# Altium PCB UCL-CPUM-H7-2.PcbDoc (part 1 of 4) (continued)
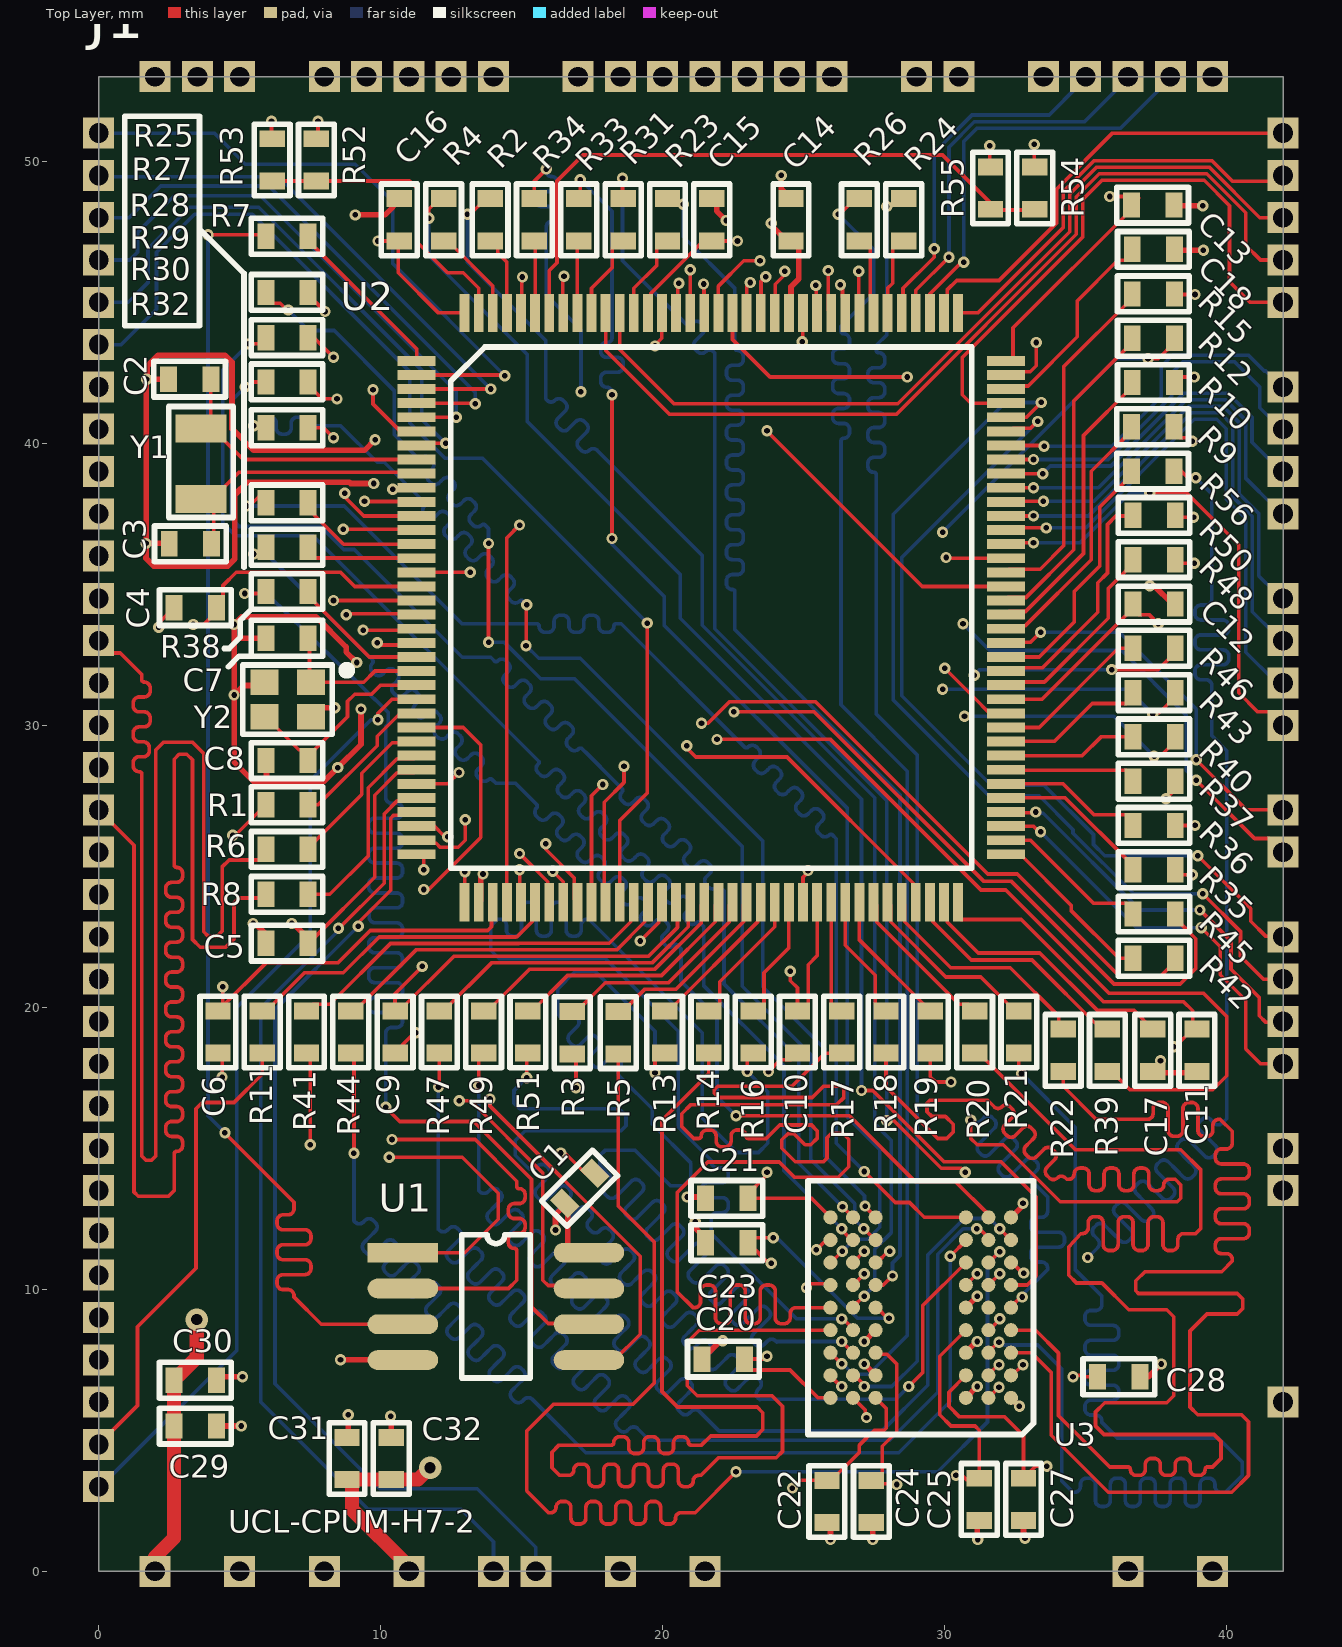
[diagram p0: Top Layer view]
## Classes and differential pairs
net class SDRAM_D[15..0]: SDRAM_D0 SDRAM_D1 SDRAM_D2 SDRAM_D3 SDRAM_D4 SDRAM_D5 SDRAM_D6 SDRAM_D7 SDRAM_D8 SDRAM_D9 SDRAM_D10 SDRAM_D11 SDRAM_D12 SDRAM_D13 SDRAM_D14 SDRAM_D15
net class SDRAM_A[12..0]: SDRAM_A0 SDRAM_A1 SDRAM_A2 SDRAM_A3 SDRAM_A4 SDRAM_A5 SDRAM_A6 SDRAM_A7 SDRAM_A8 SDRAM_A9 SDRAM_A10 SDRAM_A11 SDRAM_A12
component class U_SDRAM: C20 C21 C22 C24 C25 C27 C28 U3
component class U_MCU: C2 C3 C4 C5 C6 C7 C8 C9 C10 C11 C12 C13 C14 C15 C16 C17 C18 R1 R2 R3 R4 R5 R6 R7 R8 R9 R10 R11 R12 R13 R14 R15 R16 R17 R18 R19 R20 R21 R22 R23 R24 R25 R26 R27 R28 R29 R30 R31 R32 R33 R34 R35 R36 R37 R38 R39 R40 R41 R42 R43 R44 R45 R46 R47 R48 R49 R50 R51 R52 R53 R54 R55 R56 U2 Y1 Y2
component class U_Flash: C1 U1
component class Top: C29 C30 C31 C32 J1

## Components (designator, comment, footprint, x,y, rotation, side; value= is the part's Value field where it differs from the comment)
C1 "C-100nF-0603" Capacitor-0603 17.055,13.582 r45 top value=100nF
C2 "C-15pF-0603" Capacitor-0603 3.225,42.275 r0 top value=15pF
C3 "C-15pF-0603" Capacitor-0603 3.25,36.435 r0 top value=15pF
C4 "C-100nF-0603" Capacitor-0603 3.425,34.175 r0 top value=100nF
C5 "C-100nF-0603" Capacitor-0603 6.675,22.275 r0 top value=100nF
C6 "C-100nF-0603" Capacitor-0603 4.228,19.125 r90 top value=100nF
C7 "C-16pF-0603" Capacitor-0603 6.675,33.086 r0 top value=16pF
C8 "C-16pF-0603" Capacitor-0603 6.675,28.75 r0 top value=16pF
C9 "C-100nF-0603" Capacitor-0603 10.509,19.125 r90 top value=100nF
C10 "C-100nF-0603" Capacitor-0603 24.778,19.125 r90 top value=100nF
C11 "C-100nF-0603" Capacitor-0603 38.945,18.475 r90 top value=100nF
C12 "C-100nF-0603" Capacitor-0603 37.425,34.3 r180 top value=100nF
C13 "C-100nF-0603" Capacitor-0603 37.375,48.45 r180 top value=100nF
C14 "C-100nF-0603" Capacitor-0603 24.55,47.925 r270 top value=100nF
C15 "C-100nF-0603" Capacitor-0603 21.741,47.925 r270 top value=100nF
C16 "C-100nF-0603" Capacitor-0603 10.659,47.925 r270 top value=100nF
C17 "C-2.2uF-0603" Capacitor-0603 37.375,18.475 r90 top value=2.2uF
C18 "C-2.2uF-0603" Capacitor-0603 37.4,46.875 r180 top value=2.2uF
C20 "C-100nF-0603" Capacitor-0603 22.15,7.525 r0 top value=100nF
C21 "C-100nF-0603" Capacitor-0603 22.275,13.225 r0 top value=100nF
C22 "C-100nF-0603" Capacitor-0603 25.825,2.475 r90 top value=100nF
C23 "C-100nF-0603" Capacitor-0603 22.275,11.655 r0 top value=100nF
C24 "C-100nF-0603" Capacitor-0603 27.4,2.475 r90 top value=100nF
C25 "C-100nF-0603" Capacitor-0603 31.225,2.55 r90 top value=100nF
C27 "C-100nF-0603" Capacitor-0603 32.795,2.55 r90 top value=100nF
C28 "C-100nF-0603" Capacitor-0603 36.175,6.9 r180 top value=100nF
C29 "C-2.2uF-0603" Capacitor-0603 3.425,5.15 r180 top value=2.2uF
C30 "C-100nF-0603" Capacitor-0603 3.425,6.775 r180 top value=100nF
C31 "C-2.2uF-0603" Capacitor-0603 8.805,4 r270 top value=2.2uF
C32 "C-100nF-0603" Capacitor-0603 10.375,4 r270 top value=100nF
J1 "Ext-I/Os" EXT_IOS 0,0 r0 top locked
R1 "R-33R-0603" Resistor-0603 6.675,27.18 r180 top value=33R
R2 "R-33R-0603" Resistor-0603 13.88,47.925 r270 top value=33R
R3 "R-33R-0603" Resistor-0603 16.791,19.1 r270 top value=33R
R4 "R-33R-0603" Resistor-0603 12.23,47.925 r270 top value=33R
R5 "R-33R-0603" Resistor-0603 18.425,19.1 r270 top value=33R
R6 "R-33R-0603" Resistor-0603 6.675,25.6 r180 top value=33R
R7 "R-33R-0603" Resistor-0603 6.675,47.345 r0 top value=33R
R8 "R-33R-0603" Resistor-0603 6.675,24.005 r180 top value=33R
R9 "R-33R-0603" Resistor-0603 37.375,40.586 r0 top value=33R
R10 "R-33R-0603" Resistor-0603 37.4,42.156 r0 top value=33R
R11 "R-33R-0603" Resistor-0603 5.799,19.125 r90 top value=33R
R12 "R-33R-0603" Resistor-0603 37.4,43.726 r0 top value=33R
R13 "R-33R-0603" Resistor-0603 20.068,19.125 r90 top value=33R
R14 "R-33R-0603" Resistor-0603 21.638,19.125 r90 top value=33R
R15 "R-470R-0603" Resistor-0603 37.4,45.297 r0 top value=470R
R16 "R-33R-0603" Resistor-0603 23.208,19.125 r90 top value=33R
R17 "R-33R-0603" Resistor-0603 26.349,19.125 r90 top value=33R
R18 "R-33R-0603" Resistor-0603 27.919,19.125 r90 top value=33R
R19 "R-33R-0603" Resistor-0603 29.489,19.125 r90 top value=33R
R20 "R-33R-0603" Resistor-0603 31.059,19.125 r90 top value=33R
R21 "R-33R-0603" Resistor-0603 32.63,19.125 r90 top value=33R
R22 "R-33R-0603" Resistor-0603 34.2,18.475 r90 top value=33R
R23 "R-33R-0603" Resistor-0603 20.17,47.925 r90 top value=33R
R24 "R-33R-0603" Resistor-0603 28.545,47.925 r90 top value=33R
R25 "R-33R-0603" Resistor-0603 6.675,45.35 r0 top value=33R
R26 "R-33R-0603" Resistor-0603 26.975,47.925 r90 top value=33R
R27 "R-33R-0603" Resistor-0603 6.675,43.75 r0 top value=33R
R28 "R-33R-0603" Resistor-0603 6.675,42.175 r0 top value=33R
R29 "R-33R-0603" Resistor-0603 6.675,40.55 r0 top value=33R
R30 "R-33R-0603" Resistor-0603 6.675,37.886 r0 top value=33R
R31 "R-33R-0603" Resistor-0603 18.6,47.925 r270 top value=33R
R32 "R-33R-0603" Resistor-0603 6.675,36.316 r0 top value=33R
R33 "R-33R-0603" Resistor-0603 17.02,47.925 r270 top value=33R
R34 "R-33R-0603" Resistor-0603 15.45,47.925 r270 top value=33R
R35 "R-33R-0603" Resistor-0603 37.425,24.878 r0 top value=33R
R36 "R-33R-0603" Resistor-0603 37.425,26.449 r0 top value=33R
R37 "R-33R-0603" Resistor-0603 37.425,28.019 r0 top value=33R
R38 "R-33R-0603" Resistor-0603 6.675,34.745 r0 top value=33R
R39 "R-33R-0603" Resistor-0603 35.77,18.475 r90 top value=33R
R40 "R-33R-0603" Resistor-0603 37.425,29.589 r0 top value=33R
R41 "R-33R-0603" Resistor-0603 7.369,19.125 r90 top value=33R
R42 "R-33R-0603" Resistor-0603 37.425,21.738 r180 top value=33R
R43 "R-33R-0603" Resistor-0603 37.425,31.159 r0 top value=33R
R44 "R-33R-0603" Resistor-0603 8.939,19.125 r90 top value=33R
R45 "R-33R-0603" Resistor-0603 37.425,23.308 r180 top value=33R
R46 "R-33R-0603" Resistor-0603 37.425,32.73 r0 top value=33R
R47 "R-33R-0603" Resistor-0603 12.08,19.125 r90 top value=33R
R48 "R-33R-0603" Resistor-0603 37.425,35.875 r0 top value=33R
R49 "R-33R-0603" Resistor-0603 13.65,19.125 r90 top value=33R
R50 "R-33R-0603" Resistor-0603 37.425,37.445 r0 top value=33R
R51 "R-33R-0603" Resistor-0603 15.22,19.125 r90 top value=33R
R52 "R-10K-0603" Resistor-0603 7.72,50.05 r90 top value=10K
R53 "R-10K-0603" Resistor-0603 6.15,50.05 r270 top value=10K
R54 "R-10K-0603" Resistor-0603 33.195,49.05 r90 top value=10K
R55 "R-10K-0603" Resistor-0603 31.625,49.05 r270 top value=10K
R56 "R-33R-0603" Resistor-0603 37.375,39.016 r0 top value=33R
U1 "IS25WP128-JBLE" IS25WP128-JBLE 10.785,11.3 r0 top
U2 "STM32H743ZIT6" STM32H743ZIT6 11.275,42.925 r0 top
U3 "W989D6DBGX6I" W989D6DBGX6I 32.35,6.15 r180 top
Y1 "NX3215SA-32.768K-STD-MUA-9" NX3215SA-32.768K-STD-MUA-9 3.625,39.275 r90 top
Y2 "25MHz ±10ppm Cristal" 830107871909 7.525,30.3 r180 top

## Footprints (in the part's own frame and the unit in brackets; to place one, negate y for a bottom-side part, rotate by r counter-clockwise, add the part's x,y. Pads: shape width x height; smd on the part's side, far side on the other; paste and mask are expansions set on the pad)
830107871909 [mm]
  rect 1x0.9 smd: 1(0,-1.225) 2(1.65,-1.225) 3(1.65,0) 4(0,0)
  silkscreen extent -1.32,-1.84 2.41,0.61
Capacitor-0603 [mm]
  rect 0.6x0.9 smd: 1(-0.75,0) 2(0.75,0)
  silkscreen extent -1.27,-0.63 1.27,0.63, body extent -0.8,-0.4 0.8,0.4, height 0.81
EXT_IOS [mm]
  rect 1.1x1.1 hole 0.7 mask+0.102: 1(2,53) 2(3.5,53) 3(5,53) 4(8,53) 5(9.5,53) 6(11,53) 7(12.5,53) 8(14,53) 9(17,53) 10(18.5,53) 11(20,53) 12(21.5,53) 13(23,53) 14(24.5,53) 15(26,53) 16(29,53) 17(30.5,53) 18(33.5,53) 19(35,53) 20(36.5,53) 21(38,53) 22(39.5,53) 23(42,51) 24(42,49.5) 25(42,48) 26(42,46.5) 27(42,45) 28(42,42) 29(42,40.5) 30(42,39) 31(42,37.5) 32(42,34.5) 33(42,33) 34(42,31.5) 35(42,30) 36(42,27) 37(42,25.5) 38(42,22.5) 39(42,21) 40(42,19.5) 41(42,18) 42(42,15) 43(42,13.5) 44(42,6) 45(39.5,0) 46(36.5,0) 47(21.5,0) 48(18.5,0) 49(15.5,0) 50(14,0) 51(11,0) 52(8,0) 53(5,0) 54(2,0) 55(0,3) 56(0,4.5) 57(0,6) 58(0,7.5) 59(0,9) 60(0,10.5) 61(0,12) 62(0,13.5) 63(0,15) 64(0,16.5) 65(0,18) 66(0,19.5) 67(0,21) 68(0,22.5) 69(0,24) 70(0,25.5) 71(0,27) 72(0,28.5) 73(0,30) 74(0,31.5) 75(0,33) 76(0,34.5) 77(0,36) 78(0,37.5) 79(0,39) 80(0,40.5) 81(0,42) 82(0,43.5) 83(0,45) 84(0,46.5) 85(0,48) 86(0,49.5) 87(0,51)
IS25WP128-JBLE [mm]
  rect 2.5x0.7 smd: 1(0,0)
  oval 2.5x0.7 smd: 2(0,-1.27) 3(0,-2.54) 4(0,-3.81) 5(6.6,-3.81) 6(6.6,-2.54) 7(6.6,-1.27) 8(6.6,0)
  silkscreen extent 2.08,-4.44 4.51,0.64, body extent -0.64,-4.55 7.26,0.73, height 2.16
NX3215SA-32.768K-STD-MUA-9 [mm]
  rect 1x1.8 smd: 1(-1.25,0) 2(1.25,0)
  silkscreen extent -1.91,-1.14 2.03,1.14
Resistor-0603 [mm]
  rect 0.6x0.9 smd: 1(-0.75,0) 2(0.75,0)
  silkscreen extent -1.27,-0.64 1.27,0.64, body extent -0.8,-0.4 0.8,0.4, height 0.47
STM32H743ZIT6 [mm]
  rect 1.35x0.35 smd: 1(0,0) 2(0,-0.5) 3(0,-1) 4(0,-1.5) 5(0,-2) 6(0,-2.5) 7(0,-3) 8(0,-3.5) 9(0,-4) 10(0,-4.5) 11(0,-5) 12(0,-5.5) 13(0,-6) 14(0,-6.5) 15(0,-7) 16(0,-7.5) 17(0,-8) 18(0,-8.5) 19(0,-9) 20(0,-9.5) 21(0,-10) 22(0,-10.5) 23(0,-11) 24(0,-11.5) 25(0,-12) 26(0,-12.5) 27(0,-13) 28(0,-13.5) 29(0,-14) 30(0,-14.5) 31(0,-15) 32(0,-15.5) 33(0,-16) 34(0,-16.5) 35(0,-17) 36(0,-17.5) 73(20.9,-17.5) 74(20.9,-17) 75(20.9,-16.5) 76(20.9,-16) 77(20.9,-15.5) 78(20.9,-15) 79(20.9,-14.5) 80(20.9,-14) 81(20.9,-13.5) 82(20.9,-13) 83(20.9,-12.5) 84(20.9,-12) 85(20.9,-11.5) 86(20.9,-11) 87(20.9,-10.5) 88(20.9,-10) 89(20.9,-9.5) 90(20.9,-9) 91(20.9,-8.5) 92(20.9,-8) 93(20.9,-7.5) 94(20.9,-7) 95(20.9,-6.5) 96(20.9,-6) 97(20.9,-5.5) 98(20.9,-5) 99(20.9,-4.5) 100(20.9,-4) 101(20.9,-3.5) 102(20.9,-3) 103(20.9,-2.5) 104(20.9,-2) 105(20.9,-1.5) 106(20.9,-1) 107(20.9,-0.5) 108(20.9,0)
  rect 0.35x1.35 smd: 37(1.7,-19.2) 38(2.2,-19.2) 39(2.7,-19.2) 40(3.2,-19.2) 41(3.7,-19.2) 42(4.2,-19.2) 43(4.7,-19.2) 44(5.2,-19.2) 45(5.7,-19.2) 46(6.2,-19.2) 47(6.7,-19.2) 48(7.2,-19.2) 49(7.7,-19.2) 50(8.2,-19.2) 51(8.7,-19.2) 52(9.2,-19.2) 53(9.7,-19.2) 54(10.2,-19.2) 55(10.7,-19.2) 56(11.2,-19.2) 57(11.7,-19.2) 58(12.2,-19.2) 59(12.7,-19.2) 60(13.2,-19.2) 61(13.7,-19.2) 62(14.2,-19.2) 63(14.7,-19.2) 64(15.2,-19.2) 65(15.7,-19.2) 66(16.2,-19.2) 67(16.7,-19.2) 68(17.2,-19.2) 69(17.7,-19.2) 70(18.2,-19.2) 71(18.7,-19.2) 72(19.2,-19.2) 109(19.2,1.7) 110(18.7,1.7) 111(18.2,1.7) 112(17.7,1.7) 113(17.2,1.7) 114(16.7,1.7) 115(16.2,1.7) 116(15.7,1.7) 117(15.2,1.7) 118(14.7,1.7) 119(14.2,1.7) 120(13.7,1.7) 121(13.2,1.7) 122(12.7,1.7) 123(12.2,1.7) 124(11.7,1.7) 125(11.2,1.7) 126(10.7,1.7) 127(10.2,1.7) 128(9.7,1.7) 129(9.2,1.7) 130(8.7,1.7) 131(8.2,1.7) 132(7.7,1.7) 133(7.2,1.7) 134(6.7,1.7) 135(6.2,1.7) 136(5.7,1.7) 137(5.2,1.7) 138(4.7,1.7) 139(4.2,1.7) 140(3.7,1.7) 141(3.2,1.7) 142(2.7,1.7) 143(2.2,1.7) 144(1.7,1.7)
  silkscreen extent 1.21,-17.99 19.69,0.49, body extent -0.5,-19.8 21.5,2.2, height 1.6
W989D6DBGX6I [mm]
  round 0.5 smd: A1(0,0) A2(0.8,0) A3(1.6,0) A7(4.8,0) A8(5.6,0) A9(6.4,0) B1(0,-0.8) B2(0.8,-0.8) B3(1.6,-0.8) B7(4.8,-0.8) B8(5.6,-0.8) B9(6.4,-0.8) C1(0,-1.6) C2(0.8,-1.6) C3(1.6,-1.6) C7(4.8,-1.6) C8(5.6,-1.6) C9(6.4,-1.6) D1(0,-2.4) D2(0.8,-2.4) D3(1.6,-2.4) D7(4.8,-2.4) D8(5.6,-2.4) D9(6.4,-2.4) E1(0,-3.2) E2(0.8,-3.2) E3(1.6,-3.2) E7(4.8,-3.2) E8(5.6,-3.2) E9(6.4,-3.2) F1(0,-4) F2(0.8,-4) F3(1.6,-4) F7(4.8,-4) F8(5.6,-4) F9(6.4,-4) G1(0,-4.8) G2(0.8,-4.8) G3(1.6,-4.8) G7(4.8,-4.8) G8(5.6,-4.8) G9(6.4,-4.8) H1(0,-5.6) H2(0.8,-5.6) H3(1.6,-5.6) H7(4.8,-5.6) H8(5.6,-5.6) H9(6.4,-5.6) J1(0,-6.4) J2(0.8,-6.4) J3(1.6,-6.4) J7(4.8,-6.4) J8(5.6,-6.4) J9(6.4,-6.4)
  silkscreen extent -0.8,-7.7 7.2,1.3, body extent -0.8,-7.72 7.2,1.28, height 1.02

## Part data
C1 C4 C5 C6 C9 C10 C11 C12 C13 C14 C15 C16 C20 C21 C22 C23 C24 C25 C27 C28 C30 C32: Supplier Part Number 1=1276-1006-1-ND, Supplier 1=Digi-Key
C2 C3: Supplier Part Number 1=399-C0603C150J5GAC7411CT-ND, Supplier 1=Digi-Key
C7 C8: Supplier Part Number 1=311-3964-1-ND, Supplier 1=Digi-Key
C17 C18 C29 C31: Supplier Part Number 1=1276-1085-1-ND, Supplier 1=Digi-Key
R1 R2 R3 R4 R5 R6 R7 R8 R9 R10 R11 R12 R13 R14 R16 R17 R18 R19 R20 R21 R22 R23 R24 R25 R26 R27 R28 R29 R30 R31 R32 R33 R34 R35 R36 R37 R38 R39 R40 R41 R42 R43 R44 R45 R46 R47 R48 R49 R50 R51 R56: Supplier Part Number 1=RMCF0603FT33R0CT-ND, Supplier 1=Digi-Key
R15: Supplier Part Number 1=311-470HRCT-ND, Supplier 1=Digi-Key
R52 R53 R54 R55: Supplier Part Number 1=311-10.0KHRCT-ND, Supplier 1=Digi-Key
U1: Supplier Part Number 1=706-1443-ND, Supplier 1=Digi-Key
U2: Supplier Part Number 1=497-17721-ND, Supplier 1=Digi-Key
U3: Supplier Part Number 1=W989D6DBGX6ITR-ND, Supplier 1=Digi-Key
Y1: Supplier Part Number 1=644-1155-1-ND, Supplier 1=Digi-Key
Y2: library part 830107871909

## Via types
v1: diameter 0.4/0.45/0.4 (per signal layer), hole 0.2, Top Layer to Bottom Layer, 253 vias
v2: diameter 0.8, hole 0.4, Top Layer to Bottom Layer, 2 vias

## Nets (pads, with @x,y where several pads share a name; then routed paths per layer and width w, separated by ;. In a path a pad name is that pad's centre, name@x,y a point inside that pad or via, vN(x,y) a via of type N, cw(c..) or ccw(c..) an arc to the next point about the centre after c; other vN are vias at no path point)
ETH_MDC: J1.57 U2.27 | length 39.1
  Top Layer w0.13: U2.27@11.2,29.925 U2.27@11.275,29.925 12.925,29.925 13.55,29.3 13.55,26.025 11.7,24.175 v1(11.525,24.175)
  L4_Sig w0.13: J1.57@0.315,6 0.315,6.315 2.75,8.75 2.75,9.825 3.96,11.035 3.96,26.085 4.5,26.625 6.175,26.625 8.625,24.175 v1(11.525,24.175)
ETH_MDIO: J1.58 U2.36 | length 29.8
  Top Layer w0.13: U2.36@11.275,25.425 11.415,25.425 11.525,25.315 v1(11.525,24.875)
  L4_Sig w0.13: J1.58@0.315,7.5 0.315,7.815 3.73,11.23 3.73,26.205 4.38,26.855 6.345,26.855 8.275,24.925 11.415,24.925 11.423,24.917 11.567,24.917 v1(11.525,24.875)
"ETH_MII_ RX_ER": J1.69 U2.69 | length 35.1
  Top Layer w0.13: v1(20.85,29.275) 20.923,29.125 21.173,28.875 24.408,28.875 28.975,24.308 U2.69@28.975,23.725
  L4_Sig w0.13: J1.69@0.315,24 0.315,24.315 1.125,25.125 1.125,27.5 2.9,29.275 v1(20.85,29.275)
ETH_MII_COL: J1.59 U2.37 | length 30.6
  Top Layer w0.13: U2.37@12.975,23.725 12.975,24.801 v1(12.986,24.812)
  L4_Sig w0.13: J1.59@0.315,9 0.315,9.315 3.5,12.5 3.5,26.5 4.1,27.1 6.55,27.1 7.83,25.82 11.978,25.82 v1(12.986,24.812)
ETH_MII_CRS: J1.60 U2.34 | length 28.8
  Top Layer w0.13: U2.34@11.275,26.425 11.375,26.425 11.485,26.315 11.595,26.425 11.9,26.425 12.275,26.05 v1(12.375,26.05)
  L4_Sig w0.13: J1.60@0,10.5 3.27,13.77 3.27,26.62 3.995,27.345 6.705,27.345 8,26.05 v1(12.375,26.05)
ETH_MII_RX_CLK: J1.63 U2.35 | length 34
  Top Layer w0.13: U2.35@11.858,25.925 U2.35@11.275,25.925 11.385,25.815 11.968,25.815 12.104,25.679 12.754,25.679 13,25.925 v1(13,26.65)
  L4_Sig w0.13: J1.63@0.315,15.315 0.315,15 0.44,15.125 0.8,15.125 1.075,15.4 1.075,16.75 1.2,16.875 1.45,16.875 1.55,16.775 1.55,15.1 1.1,14.65 1.1,14.275 1.275,14.1 1.45,14.1 2.795,15.445 2.795,26.945 3.675,27.825 6.95,27.825 7.9,26.875 12.775,26.875 v1(13,26.65)
ETH_MII_RX_DV: J1.64 U2.43 | length 32.7
  Top Layer w0.13: v1(14.925,25.45) 15.925,24.45 U2.43@15.925,23.725 ; U2.43@15.925,23.725 U2.43@15.975,23.725
  L4_Sig w0.13: J1.64@0,16.5 1.2,17.7 1.625,17.7 1.925,17.4 1.925,15.475 2.025,15.375 2.275,15.375 2.565,15.665 2.565,27.04 3.595,28.07 7.031,28.07 7.901,27.2 13.175,27.2 v1(14.925,25.45)
ETH_MII_RXD0: J1.65 U2.44 | length 32.7
  Top Layer w0.13: v1(16.1,24.825) 16.475,24.45 U2.44@16.475,23.725
  L4_Sig w0.13: J1.65@0.315,18 0.315,18.315 2.275,20.275 2.275,27.125 3.45,28.3 7.126,28.3 7.976,27.45 13.525,27.45 15.6,25.375 16.25,25.375 16.425,25.2 16.425,24.325 15.1,23 14.75,23 14.625,23.125 14.625,23.35 v1(16.1,24.825)
ETH_MII_RXD1: J1.66 U2.45 | length 32.8
  Top Layer w0.13: v1(15.85,25.8) 15.85,25.6 16.865,24.585 16.865,23.835 U2.45@16.975,23.725
  L4_Sig w0.13: J1.66@0.315,19.5 0.315,19.815 2.025,21.525 2.025,27.2 3.355,28.53 7.221,28.53 8.051,27.7 13.825,27.7 14.89,26.635 16.135,26.635 16.55,27.05 17.649,27.05 17.875,26.824 17.875,26.675 17,25.8 16.825,25.8 16.691,25.934 16.691,26.041 17.096,26.446 17.096,26.554 16.975,26.675 16.725,26.675 v1(15.85,25.8) 15.985,25.8 v1@16.03,25.845
ETH_MII_RXD2: J1.67 U2.46 | length 32.5
  Top Layer w0.13: U2.46@17.475,23.725 17.4,23.725 17.475,23.8 17.475,27.501 v1(17.876,27.901)
  L4_Sig w0.13: J1.67@0.315,21 0.315,21.315 1.725,22.725 1.725,27.225 3.299,28.8 7.276,28.8 8.146,27.93 13.022,27.93 13.204,27.93 ccw(c13.204,28.118) 13.392,28.118 cw(c13.604,28.118) 13.604,28.33 13.71,28.33 cw(c13.71,28.118) 13.922,28.118 ccw(c14.11,28.118) 14.11,27.93 14.264,27.93 ccw(c14.264,28.118) 14.452,28.118 cw(c14.664,28.118) 14.664,28.33 14.77,28.33 cw(c14.77,28.118) 14.982,28.118 14.982,27.93 14.982,27.742 ccw(c15.194,27.742) 15.194,27.53 15.3,27.53 ccw(c15.3,27.742) 15.512,27.742 15.512,27.93 15.512,28.118 cw(c15.724,28.118) 15.724,28.33 15.83,28.33 cw(c15.83,28.118) 16.042,28.118 16.042,27.93 16.042,27.742 ccw(c16.254,27.742) 16.254,27.53 16.36,27.53 ccw(c16.36,27.742) 16.572,27.742 16.572,27.93 16.572,28.118 cw(c16.784,28.118) 16.784,28.33 16.89,28.33 cw(c16.89,28.118) 17.102,28.118 17.102,27.93 17.102,27.742 ccw(c17.314,27.742) 17.314,27.53 17.42,27.53 ccw(c17.42,27.742) 17.632,27.742 cw(c17.82,27.742) 17.82,27.93 17.897,27.93 17.876,27.909 v1(17.876,27.901)
ETH_MII_RXD3: J1.68 U2.47 | length 32.7
  Top Layer w0.13: U2.47@17.975,23.725 17.975,24.125 17.925,24.175 17.925,27.275 18.625,27.975 v1(18.625,28.55)
  L4_Sig w0.13: J1.68@0.315,22.5 0.315,22.815 1.425,23.925 1.425,27.375 3.095,29.045 8.45,29.045 8.667,29.045 cw(c8.667,28.857) 8.855,28.857 ccw(c9.067,28.857) 9.067,28.645 9.173,28.645 ccw(c9.173,28.857) 9.385,28.857 cw(c9.573,28.857) 9.573,29.045 9.727,29.045 cw(c9.727,28.857) 9.915,28.857 ccw(c10.127,28.857) 10.127,28.645 10.233,28.645 ccw(c10.233,28.857) 10.445,28.857 cw(c10.633,28.857) 10.633,29.045 10.787,29.045 cw(c10.787,28.857) 10.975,28.857 ccw(c11.187,28.857) 11.187,28.645 11.293,28.645 ccw(c11.293,28.857) 11.505,28.857 cw(c11.693,28.857) 11.693,29.045 11.847,29.045 cw(c11.847,28.857) 12.035,28.857 ccw(c12.247,28.857) 12.247,28.645 12.353,28.645 ccw(c12.353,28.857) 12.565,28.857 cw(c12.753,28.857) 12.753,29.045 12.907,29.045 cw(c12.907,28.857) 13.095,28.857 ccw(c13.307,28.857) 13.307,28.645 13.413,28.645 ccw(c13.413,28.857) 13.625,28.857 cw(c13.813,28.857) 13.813,29.045 13.967,29.045 cw(c13.967,28.857) 14.155,28.857 ccw(c14.367,28.857) 14.367,28.645 14.473,28.645 ccw(c14.473,28.857) 14.685,28.857 cw(c14.873,28.857) 14.873,29.045 15.027,29.045 cw(c15.027,28.857) 15.215,28.857 ccw(c15.427,28.857) 15.427,28.645 15.533,28.645 ccw(c15.533,28.857) 15.745,28.857 cw(c15.933,28.857) 15.933,29.045 16.087,29.045 cw(c16.087,28.857) 16.275,28.857 ccw(c16.487,28.857) 16.487,28.645 16.593,28.645 ccw(c16.593,28.857) 16.805,28.857 cw(c16.993,28.857) 16.993,29.045 17.147,29.045 cw(c17.147,28.857) 17.335,28.857 ccw(c17.547,28.857) 17.547,28.645 17.653,28.645 ccw(c17.653,28.857) 17.865,28.857 cw(c18.053,28.857) 18.053,29.045 18.13,29.045 v1(18.625,28.55)
ETH_MII_TX_CLK: J1.71 R8.2 | length 50.3
  Top Layer w0.13: J1.71@0,27 1.25,25.75 1.25,13.45 1.4,13.3 2.475,13.3 2.675,13.5 2.675,14.375 2.675,14.802 cw(c2.763,14.802) 2.763,14.89 ccw(c2.763,15.102) 2.975,15.102 2.975,15.208 ccw(c2.763,15.208) 2.763,15.42 2.675,15.42 2.587,15.42 cw(c2.587,15.632) 2.375,15.632 2.375,15.738 cw(c2.587,15.738) 2.587,15.95 2.675,15.95 2.763,15.95 ccw(c2.763,16.162) 2.975,16.162 2.975,16.268 ccw(c2.763,16.268) 2.763,16.48 2.675,16.48 2.587,16.48 cw(c2.587,16.692) 2.375,16.692 2.375,16.798 cw(c2.587,16.798) 2.587,17.01 2.675,17.01 2.763,17.01 ccw(c2.763,17.222) 2.975,17.222 2.975,17.328 ccw(c2.763,17.328) 2.763,17.54 2.675,17.54 2.587,17.54 cw(c2.587,17.752) 2.375,17.752 2.375,17.858 cw(c2.587,17.858) 2.587,18.07 2.675,18.07 2.763,18.07 ccw(c2.763,18.282) 2.975,18.282 2.975,18.388 ccw(c2.763,18.388) 2.763,18.6 2.675,18.6 2.587,18.6 cw(c2.587,18.812) 2.375,18.812 2.375,18.918 cw(c2.587,18.918) 2.587,19.13 2.675,19.13 2.763,19.13 ccw(c2.763,19.342) 2.975,19.342 2.975,19.448 ccw(c2.763,19.448) 2.763,19.66 2.675,19.66 2.587,19.66 cw(c2.587,19.872) 2.375,19.872 2.375,19.978 cw(c2.587,19.978) 2.587,20.19 2.675,20.19 2.763,20.19 ccw(c2.763,20.402) 2.975,20.402 2.975,20.508 ccw(c2.763,20.508) 2.763,20.72 2.675,20.72 2.587,20.72 cw(c2.587,20.932) 2.375,20.932 2.375,21.038 cw(c2.587,21.038) 2.587,21.25 2.675,21.25 2.763,21.25 ccw(c2.763,21.462) 2.975,21.462 2.975,21.568 ccw(c2.763,21.568) 2.763,21.78 2.675,21.78 2.587,21.78 cw(c2.587,21.992) 2.375,21.992 2.375,22.098 cw(c2.587,22.098) 2.587,22.31 2.675,22.31 2.763,22.31 ccw(c2.763,22.522) 2.975,22.522 2.975,22.628 ccw(c2.763,22.628) 2.763,22.84 2.675,22.84 2.587,22.84 cw(c2.587,23.052) 2.375,23.052 2.375,23.158 cw(c2.587,23.158) 2.587,23.37 2.675,23.37 2.763,23.37 ccw(c2.763,23.582) 2.975,23.582 2.975,23.688 ccw(c2.763,23.688) 2.763,23.9 2.675,23.9 2.587,23.9 cw(c2.587,24.112) 2.375,24.112 2.375,24.218 cw(c2.587,24.218) 2.587,24.43 2.675,24.43 2.763,24.43 ccw(c2.763,24.642) 2.975,24.642 2.975,24.748 ccw(c2.763,24.748) 2.763,24.96 cw(c2.763,25.048) 2.675,25.048 2.675,25.225 2.675,28.8 2.85,28.975 3.125,28.975 3.325,28.775 3.325,22.4 3.6,22.125 4.5,22.125 4.8,22.425 4.8,23.7 4.975,23.875 5.92,23.875 R8.2@6.05,24.005
ETH_MII_TX_EN: J1.72 R39.1 | length 51.3
  Top Layer w0.13: v1(21.925,29.5) 25.95,29.5 31.287,24.162 32.163,24.162 35.825,20.5 39.175,20.5 40,19.675 40,17.575 39.5,17.075 36.57,17.075 35.92,17.725 R39.1@35.77,17.725 R39.1@35.65,17.725
  L4_Sig w0.13: J1.72@0.315,28.5 1.45,28.5 2.65,29.7 21.1,29.7 21.3,29.5 v1(21.925,29.5)
ETH_MII_TX_ER/I\N\T\: J1.56 R11.1 | length 16.8
  Top Layer w0.13: J1.56@0.315,4.5 0.315,4.815 1.375,5.875 1.375,8.675 3.45,10.75 3.45,16.4 3.675,16.625 4.8,16.625 5.799,17.624 R11.1@5.799,18.375
ETH_MII_TXD0: J1.73 R42.1 | length 48.9
  Top Layer w0.13: v1(21.375,30.075) 21.609,30.075 22.374,30.84 25.41,30.84 31.525,24.725 32.575,24.725 36.177,21.123 37.673,21.123 37.903,21.353 37.94,21.353 38.175,21.588 38.175,21.625 R42.1@38.175,21.738
  L4_Sig w0.13: J1.73@0.315,30 0.365,30.05 4.35,30.05 5.525,31.225 10.275,31.225 10.85,30.65 10.927,30.65 ccw(c10.927,30.838) 11.115,30.838 cw(c11.327,30.838) 11.327,31.05 11.433,31.05 cw(c11.433,30.838) 11.645,30.838 11.645,30.65 11.645,30.462 ccw(c11.857,30.462) 11.857,30.25 11.963,30.25 ccw(c11.963,30.462) 12.175,30.462 12.175,30.65 12.175,30.838 cw(c12.387,30.838) 12.387,31.05 12.493,31.05 cw(c12.493,30.838) 12.705,30.838 12.705,30.65 12.705,30.462 ccw(c12.917,30.462) 12.917,30.25 13.023,30.25 ccw(c13.023,30.462) 13.235,30.462 13.235,30.65 13.235,30.838 cw(c13.447,30.838) 13.447,31.05 13.553,31.05 cw(c13.553,30.838) 13.765,30.838 13.765,30.65 13.765,30.462 ccw(c13.977,30.462) 13.977,30.25 14.083,30.25 ccw(c14.083,30.462) 14.295,30.462 14.295,30.65 14.295,30.838 cw(c14.507,30.838) 14.507,31.05 14.613,31.05 cw(c14.613,30.838) 14.825,30.838 14.825,30.65 14.825,30.462 ccw(c15.037,30.462) 15.037,30.25 15.143,30.25 ccw(c15.143,30.462) 15.355,30.462 15.355,30.65 15.355,30.838 cw(c15.567,30.838) 15.567,31.05 15.673,31.05 cw(c15.673,30.838) 15.885,30.838 ccw(c16.073,30.838) 16.073,30.65 16.4,30.65 17.579,30.65 18.154,30.075 v1(21.375,30.075)
ETH_MII_TXD1: J1.74 R45.1 | length 49.8
  Top Layer w0.13: v1(22.525,30.475) 25.375,30.475 31.375,24.475 32.35,24.475 36,20.825 38.35,20.825 38.9,21.375 38.9,22.433 38.325,23.008 38.325,23.225 38.242,23.308 R45.1@38.175,23.308
  L4_Sig w0.13: J1.74@0,31.5 5.225,31.5 5.45,31.725 10.05,31.725 10.2,31.875 11.775,31.875 11.802,31.875 cw(c11.802,31.787) 11.89,31.787 ccw(c12.102,31.787) 12.102,31.575 12.208,31.575 ccw(c12.208,31.787) 12.42,31.787 12.42,31.875 12.42,31.963 cw(c12.632,31.963) 12.632,32.175 12.738,32.175 cw(c12.738,31.963) 12.95,31.963 12.95,31.875 12.95,31.787 ccw(c13.162,31.787) 13.162,31.575 13.268,31.575 ccw(c13.268,31.787) 13.48,31.787 13.48,31.875 13.48,31.963 cw(c13.692,31.963) 13.692,32.175 13.798,32.175 cw(c13.798,31.963) 14.01,31.963 14.01,31.875 14.01,31.787 ccw(c14.222,31.787) 14.222,31.575 14.328,31.575 ccw(c14.328,31.787) 14.54,31.787 14.54,31.875 14.54,31.963 cw(c14.752,31.963) 14.752,32.175 14.858,32.175 cw(c14.858,31.963) 15.07,31.963 15.07,31.875 15.07,31.787 ccw(c15.282,31.787) 15.282,31.575 15.388,31.575 ccw(c15.388,31.787) 15.6,31.787 15.6,31.875 15.6,31.963 cw(c15.812,31.963) 15.812,32.175 15.918,32.175 cw(c15.918,31.963) 16.13,31.963 16.13,31.875 16.13,31.787 ccw(c16.342,31.787) 16.342,31.575 16.448,31.575 ccw(c16.448,31.787) 16.66,31.787 cw(c16.748,31.787) 16.748,31.875 16.925,31.875 18.325,30.475 v1(22.525,30.475)
ETH_MII_TXD2: J1.75 R6.2 | length 49.7
  Top Layer w0.13: J1.75@0.315,33 0.315,32.685 0.435,32.565 0.76,32.565 1.525,31.8 1.525,31.623 ccw(c1.613,31.623) 1.613,31.535 cw(c1.613,31.323) 1.825,31.323 1.825,31.217 cw(c1.613,31.217) 1.613,31.005 1.525,31.005 1.437,31.005 ccw(c1.437,30.793) 1.225,30.793 1.225,30.687 ccw(c1.437,30.687) 1.437,30.475 1.525,30.475 1.613,30.475 cw(c1.613,30.263) 1.825,30.263 1.825,30.157 cw(c1.613,30.157) 1.613,29.945 1.525,29.945 1.437,29.945 ccw(c1.437,29.733) 1.225,29.733 1.225,29.627 ccw(c1.437,29.627) 1.437,29.415 1.525,29.415 1.583,29.415 cw(c1.583,29.203) 1.795,29.203 1.795,29.097 cw(c1.583,29.097) 1.583,28.885 1.525,28.885 1.437,28.885 ccw(c1.437,28.673) 1.225,28.673 1.225,28.567 ccw(c1.437,28.567) 1.437,28.355 cw(c1.437,28.267) 1.525,28.267 1.525,27.975 1.525,14.725 1.675,14.575 1.875,14.575 2.025,14.725 2.025,29.125 2.3,29.4 3.325,29.4 3.725,29 3.725,22.675 3.875,22.525 4.2,22.525 4.375,22.7 4.375,24.975 4.625,25.225 5.79,25.225 6.025,25.46 R6.2@6.025,25.6
ETH_MII_TXD3: J1.76 R34.1 | length 49.7
  Top Layer w0.13: R34.1@15.45,48.675 15.45,49.3 v1(15.875,49.725)
  L4_Sig w0.13: J1.76@0.315,34.5 0.315,34.185 1.85,32.65 9.425,32.65 9.7,32.375 11.325,32.375 11.6,32.65 11.6,36.325 12.125,36.85 12.266,36.991 ccw(c12.116,37.14) 12.266,37.29 12.07,37.485 cw(c12.22,37.635) 12.07,37.785 12.145,37.86 cw(c12.295,37.71) 12.445,37.86 12.79,37.515 13.135,37.17 ccw(c13.285,37.32) 13.435,37.17 13.51,37.245 ccw(c13.36,37.395) 13.51,37.545 13.165,37.89 12.82,38.235 cw(c12.97,38.385) 12.82,38.535 12.895,38.61 cw(c13.045,38.46) 13.195,38.61 13.54,38.265 13.885,37.92 ccw(c14.035,38.07) 14.185,37.92 14.26,37.995 ccw(c14.11,38.145) 14.26,38.294 13.914,38.639 13.569,38.985 cw(c13.719,39.134) 13.569,39.284 13.644,39.359 cw(c13.794,39.209) 13.944,39.359 14.289,39.014 14.634,38.669 ccw(c14.784,38.819) 14.934,38.669 15.009,38.744 ccw(c14.859,38.894) 15.009,39.044 14.664,39.389 14.319,39.734 cw(c14.469,39.884) 14.319,40.034 14.394,40.109 cw(c14.544,39.959) 14.694,40.109 15.039,39.764 15.384,39.419 ccw(c15.534,39.569) 15.684,39.419 15.759,39.494 ccw(c15.609,39.644) 15.759,39.793 15.414,40.139 15.068,40.484 cw(c15.218,40.634) 15.068,40.783 15.143,40.858 cw(c15.293,40.708) 15.443,40.858 15.788,40.513 16.133,40.168 ccw(c16.283,40.318) 16.433,40.168 16.508,40.243 ccw(c16.358,40.393) 16.508,40.543 16.163,40.888 15.818,41.233 cw(c15.968,41.383) 15.818,41.533 15.893,41.608 cw(c16.043,41.458) 16.193,41.608 16.538,41.263 16.883,40.918 ccw(c17.033,41.068) 17.183,40.918 17.258,40.993 ccw(c17.108,41.143) 17.258,41.293 17.063,41.488 cw(c17.212,41.638) 17.063,41.788 v1(17.1,41.825)
  Bottom Layer w0.13: v1(15.875,49.725) 15.875,49.648 ccw(c16.063,49.648) 16.063,49.46 cw(c16.063,49.248) 16.275,49.248 16.275,49.142 cw(c16.063,49.142) 16.063,48.93 15.875,48.93 15.687,48.93 ccw(c15.687,48.718) 15.475,48.718 15.475,48.612 ccw(c15.687,48.612) 15.687,48.4 15.875,48.4 16.063,48.4 cw(c16.063,48.188) 16.275,48.188 16.275,48.082 cw(c16.063,48.082) 16.063,47.87 ccw(c16.063,47.682) 15.875,47.682 15.875,47.487 15.875,45.25 17.1,44.025 v1(17.1,41.825)
ETH_R\E\S\E\T\: J1.61 U2.41 | length 30.4
  Top Layer w0.13: v1(14.925,24.875) 14.925,23.775 U2.41@14.975,23.725
  L4_Sig w0.13: J1.61@0.315,12 0.315,12.315 3.025,15.025 3.025,26.775 3.825,27.575 6.875,27.575 8.01,26.44 12.658,26.44 12.838,26.26 13.54,26.26 v1(14.925,24.875)
"FMC_ SDCLK": R15.2 U3.F2 | length 50.3
  Top Layer w0.13: U3.F2@31.55,10.15 v1(31.952,10.551) ; R15.2@38.15,45.297 38.172,45.275 v1(38.875,45.275)
  L4_Sig w0.13: v1(31.952,10.551) 36.7,15.3 36.7,28.95 40.125,32.375 40.125,32.452 ccw(c39.937,32.452) 39.937,32.64 cw(c39.937,32.852) 39.725,32.852 39.725,32.958 cw(c39.937,32.958) 39.937,33.17 40.125,33.17 40.313,33.17 ccw(c40.313,33.382) 40.525,33.382 40.525,33.488 ccw(c40.313,33.488) 40.313,33.7 40.125,33.7 39.937,33.7 cw(c39.937,33.912) 39.725,33.912 39.725,34.018 cw(c39.937,34.018) 39.937,34.23 40.125,34.23 40.313,34.23 ccw(c40.313,34.442) 40.525,34.442 40.525,34.548 ccw(c40.313,34.548) 40.313,34.76 40.125,34.76 39.937,34.76 cw(c39.937,34.972) 39.725,34.972 39.725,35.078 cw(c39.937,35.078) 39.937,35.29 40.125,35.29 40.313,35.29 ccw(c40.313,35.502) 40.525,35.502 40.525,35.608 ccw(c40.313,35.608) 40.313,35.82 40.125,35.82 39.937,35.82 cw(c39.937,36.032) 39.725,36.032 39.725,36.138 cw(c39.937,36.138) 39.937,36.35 40.125,36.35 40.313,36.35 ccw(c40.313,36.562) 40.525,36.562 40.525,36.668 ccw(c40.313,36.668) 40.313,36.88 40.125,36.88 39.937,36.88 cw(c39.937,37.092) 39.725,37.092 39.725,37.198 cw(c39.937,37.198) 39.937,37.41 40.125,37.41 40.313,37.41 ccw(c40.313,37.622) 40.525,37.622 40.525,37.728 ccw(c40.313,37.728) 40.313,37.94 40.125,37.94 39.937,37.94 cw(c39.937,38.152) 39.725,38.152 39.725,38.258 cw(c39.937,38.258) 39.937,38.47 40.125,38.47 40.313,38.47 ccw(c40.313,38.682) 40.525,38.682 40.525,38.788 ccw(c40.313,38.788) 40.313,39 40.125,39 39.937,39 cw(c39.937,39.212) 39.725,39.212 39.725,39.318 cw(c39.937,39.318) 39.937,39.53 40.125,39.53 40.313,39.53 ccw(c40.313,39.742) 40.525,39.742 40.525,39.848 ccw(c40.313,39.848) 40.313,40.06 40.125,40.06 39.937,40.06 cw(c39.937,40.272) 39.725,40.272 39.725,40.378 cw(c39.937,40.378) 39.937,40.59 40.125,40.59 40.313,40.59 ccw(c40.313,40.802) 40.525,40.802 40.525,40.908 ccw(c40.313,40.908) 40.313,41.12 40.125,41.12 39.937,41.12 cw(c39.937,41.332) 39.725,41.332 39.725,41.438 cw(c39.937,41.438) 39.937,41.65 ccw(c39.937,41.838) 40.125,41.838 40.125,41.975 40.125,44.025 v1(38.875,45.275)
GND: C1.2 C2.1 C3.1 C4.1 C5.1 C6.1 C7.1 C8.1 C9.1 C10.1 C11.1 C12.1 C13.1 C14.1 C15.1 C16.1 C17.1 C18.1 C20.1 C21.1 C22.1 C23.1 C24.1 C25.1 C27.1 C28.1 C29.1 C30.1 C31.1 C32.1 J1.3 J1.9 J1.17 J1.22 J1.42 J1.43 J1.44 J1.45 J1.46 J1.47 J1.48 J1.52 J1.53 J1.62 J1.70 J1.77 R53.1 R55.1 U1.4 U2.16 U2.31 U2.38 U2.51 U2.61 U2.83 U2.94 U2.107 U2.120 U2.130 U3.A1 U3.A3 U3.B7 U3.C3 U3.D7 U3.E3 U3.J1 Y2.2 Y2.4 | length 101.4
  Top Layer w0.13: v1(2.125,33.475) 2.125,33.625 C4.1@2.675,34.175 ; C6.1@4.228,18.375 4.375,18.228 v1(4.375,17.525) ; v1(6.125,51.425) 6.125,50.875 6.1,50.85 R53.1@6.15,50.8 ; v1(8.575,7.5) v1@8.58,7.495 ; C9.1@10.509,18.375 10.509,18.409 11.2,19.1 v1(11.25,19.1) ; U1.4@10.78,7.495 U1.4@10.785,7.49 ; U2.31@11.275,27.925 12.375,27.925 v1(12.775,28.325) ; U2.16@11.275,35.425 v1(13.175,35.425) ; v1(16.387,14.831) 16.429,14.789 16.577,14.789 17.253,14.113 C1.2@17.586,14.113 ; v1(19.2,22.35) 19.865,23.015 19.865,23.325 19.975,23.435 U2.51@19.975,23.725 ; v1(19.725,43.45) 19.725,43.482 19.97,43.728 19.97,44.62 U2.130@19.975,44.625 ; v1(23.75,17.725) 24.165,18.14 24.543,18.14 C10.1@24.778,18.375 ; v1(24.95,43.6) 24.963,43.613 24.963,44.438 24.975,44.45 U2.120@24.975,44.625 ; U2.61@24.975,23.725 24.975,24.615 25.15,24.79 v1(25.15,24.85) ; v1(30,32.025) 31.335,30.69 31.335,30.682 31.592,30.425 U2.83@32.175,30.425 ; v1(30.05,35.95) 30.075,35.925 U2.94@32.175,35.925 ; v1(31.6,50.55) 31.6,49.825 R55.1@31.625,49.8 ; U2.107@32.175,42.425 32.285,42.535 33.035,42.535 33.25,42.75 v1(33.25,43.575) ; C17.1@37.4,17.725 37.575,17.725 C17.1@37.625,17.675
  Top Layer w0.2: C2.1@2.475,42.275 v1(1.7,42.275) ; C3.1@2.5,36.435 2.485,36.45 v1(1.675,36.45) ; C29.1@4.175,5.15 v1(5.05,5.15) ; C30.1@4.175,6.775 4.3,6.9 v1(5.1,6.9) ; v1(5.475,22.975) 5.504,22.946 5.579,22.946 6.025,22.5 6.025,22.425 6.1,22.35 C5.1@6.1,22.275 ; Y2.2@5.875,31.525 5.761,31.411 5.136,31.411 v1(4.8,31.075) ; C8.1@5.925,28.75 5.875,28.75 5.95,28.675 5.95,28.025 ; C7.1@5.925,33.086 4.8,33.086 ; Y2.4@7.525,30.3 7.85,30.625 v1(8.375,30.625) ; v1@8.58,7.495 U1.4@10.78,7.495 ; C31.1@8.805,4.75 8.85,4.795 v1(8.85,5.55) ; v1(9.1,48.1) 10.15,48.1 10.725,48.675 C16.1@10.659,48.675 ; v1(9.15,32.227) 8.775,32.602 8.775,32.775 7.7,33.85 5.075,33.85 v1(4.8,33.575) 4.8,33.086 ; v1(9.3,30.575) 9.3,29.325 v1(8.475,28.5) 8,28.025 5.95,28.025 ; v1(9.75,38.575) 8.941,38.575 8.891,38.625 5.275,38.625 4.825,38.175 4.825,35.9 4.575,35.65 1.95,35.65 1.675,35.925 v1(1.675,36.45) ; v1(9.8,40.125) 9.425,39.75 5.495,39.75 4.725,40.52 4.725,42.875 4.475,43.125 2.1,43.125 1.725,42.75 1.725,42.3 v1(1.7,42.275) ; v1(10.35,5.5) 10.375,5.475 C32.1@10.375,4.75 ; U2.38@13.475,23.725 13.55,23.8 13.55,24.609 13.625,24.684 v1(13.625,24.725) ; v1(20.875,13.275) 21.475,13.275 C21.1@21.525,13.225 ; v1(21.15,12.4) 21.188,12.362 21.188,12.141 21.525,11.805 C23.1@21.525,11.655 ; C20.1@21.4,7.525 22.05,8.175 v1(22.126,8.175) ; C15.1@21.741,48.675 21.75,48.675 21.914,48.511 21.914,48.236 v1(22.25,47.9) ; v1(24.2,49.5) 24.2,49.025 C14.1@24.55,48.675 ; C22.1@25.825,1.725 25.95,1.6 v1(25.95,1.125) ; v1(27.151,8.15) U3.D7@27.55,8.55 ; v1(27.151,7.35) 27.55,6.952 U3.B7@27.55,6.95 ; C24.1@27.4,1.725 27.4,1.65 27.45,1.6 v1(27.45,1.125) ; U3.C3@30.75,7.75 30.75,7.775 31.125,8.15 v1(31.152,8.15) ; U3.E3@30.75,9.35 v1(31.15,9.75) ; U3.A3@30.75,6.15 v1(31.152,6.55) ; v1(31.175,1.125) 31.15,1.15 31.15,1.725 C25.1@31.225,1.8 ; U3.A1@32.35,6.15 v1(32.65,5.85) ; U3.J1@32.35,12.55 32.775,12.975 v1(32.775,13.05) ; C27.1@32.795,1.8 32.795,1.23 v1(32.85,1.175) ; C28.1@36.925,6.9 37.225,6.9 v1(37.675,7.35) ; v1(37.275,34.95) 37.425,34.95 38.075,34.3 C12.1@38.175,34.3 ; C17.1@37.375,17.725 37.4,17.725 37.652,17.977 v1(37.652,18.101) ; C17.1@37.625,17.675 38.895,17.675 C11.1@38.945,17.725 ; C18.1@38.125,46.745 38.222,46.745 38.325,46.849 v1(39.175,46.849) ; C13.1@38.125,48.45 38.15,48.425 v1(39.15,48.425) ; v1(1.675,36.45) 1.687,36.463 1.687,42.263 v1(1.7,42.275) ; v1(4.8,31.075) 4.8,28.7 5.475,28.025 5.95,28.025 ; v1(4.8,31.075) 4.8,33.086
  Bottom Layer w0.13: v1(16.387,14.831) 16.4,14.844 v1@16.4,14.95
  Bottom Layer w0.2: v1@9.15,32.2 v1(9.15,32.227)
GPIO0: J1.29 U2.101 | length 13
  Top Layer w0.13: U2.101@32.175,39.425 v1(33.15,39.425)
  Bottom Layer w0.13: v1(33.15,39.425) 35.8,39.425 38.05,41.675 38.05,42.495 38.45,42.895 40.275,42.895 41.175,41.995 41.175,41.263 41.685,40.753 J1.29@41.685,40.5
GPIO1: J1.28 U2.102 | length 12.1
  Top Layer w0.13: U2.102@32.175,39.925 33.5,39.925 v1(33.525,39.9)
  Bottom Layer w0.13: v1(33.525,39.9) 35.925,39.9 37.675,41.65 37.675,42.725 38.075,43.125 40.775,43.125 41.335,42.565 41.385,42.565 41.55,42.4 41.55,42.388 41.685,42.253 J1.28@41.685,42
GPIO2: J1.82 U2.48 | length 40
  Top Layer w0.13: U2.48@18.45,23.7 U2.48@18.475,23.725 18.475,26.625 19.45,27.6 v1(19.45,33.625)
  Bottom Layer w0.13: J1.82@0,43.5 0.8,43.5 2.05,44.75 2.05,46.775 3.4,48.125 5.45,48.125 11.025,42.55 11.025,40.725 12.275,39.475 13.6,39.475 v1(19.45,33.625)
GPIO3: J1.2 U2.137 | length 18.3
  Top Layer w0.13: U2.137@16.475,44.625 16.45,44.625 16.45,45.875 v1(16.5,45.925)
  L4_Sig w0.13: J1.2@3.5,52.685 3.475,52.66 3.475,50.85 7.85,46.475 15.95,46.475 v1(16.5,45.925)
GPIO4: J1.1 U2.140 | length 18.1
  Top Layer w0.13: U2.140@14.975,44.625 15,44.65 15,45.875 v1(15.025,45.9)
  L4_Sig w0.13: J1.1@2,52.685 1.975,52.66 1.975,51.225 7.3,45.9 15,45.9 15.025,45.925 v1(15.025,45.9)